# Altium PCB FlatSat Half 2.PcbDoc (part 6 of 9)
Units mil, origin at the board's own origin, x right, y up, seen from the top; angles counter-clockwise.
Board outline 4682 x 11604 mil, 4 copper layers (Top Layer, STR GND 1, STR GND 2, Bottom Layer), stack 33.434 mil thick; 231 components, 255 nets, 990 pads, 1104 vias.
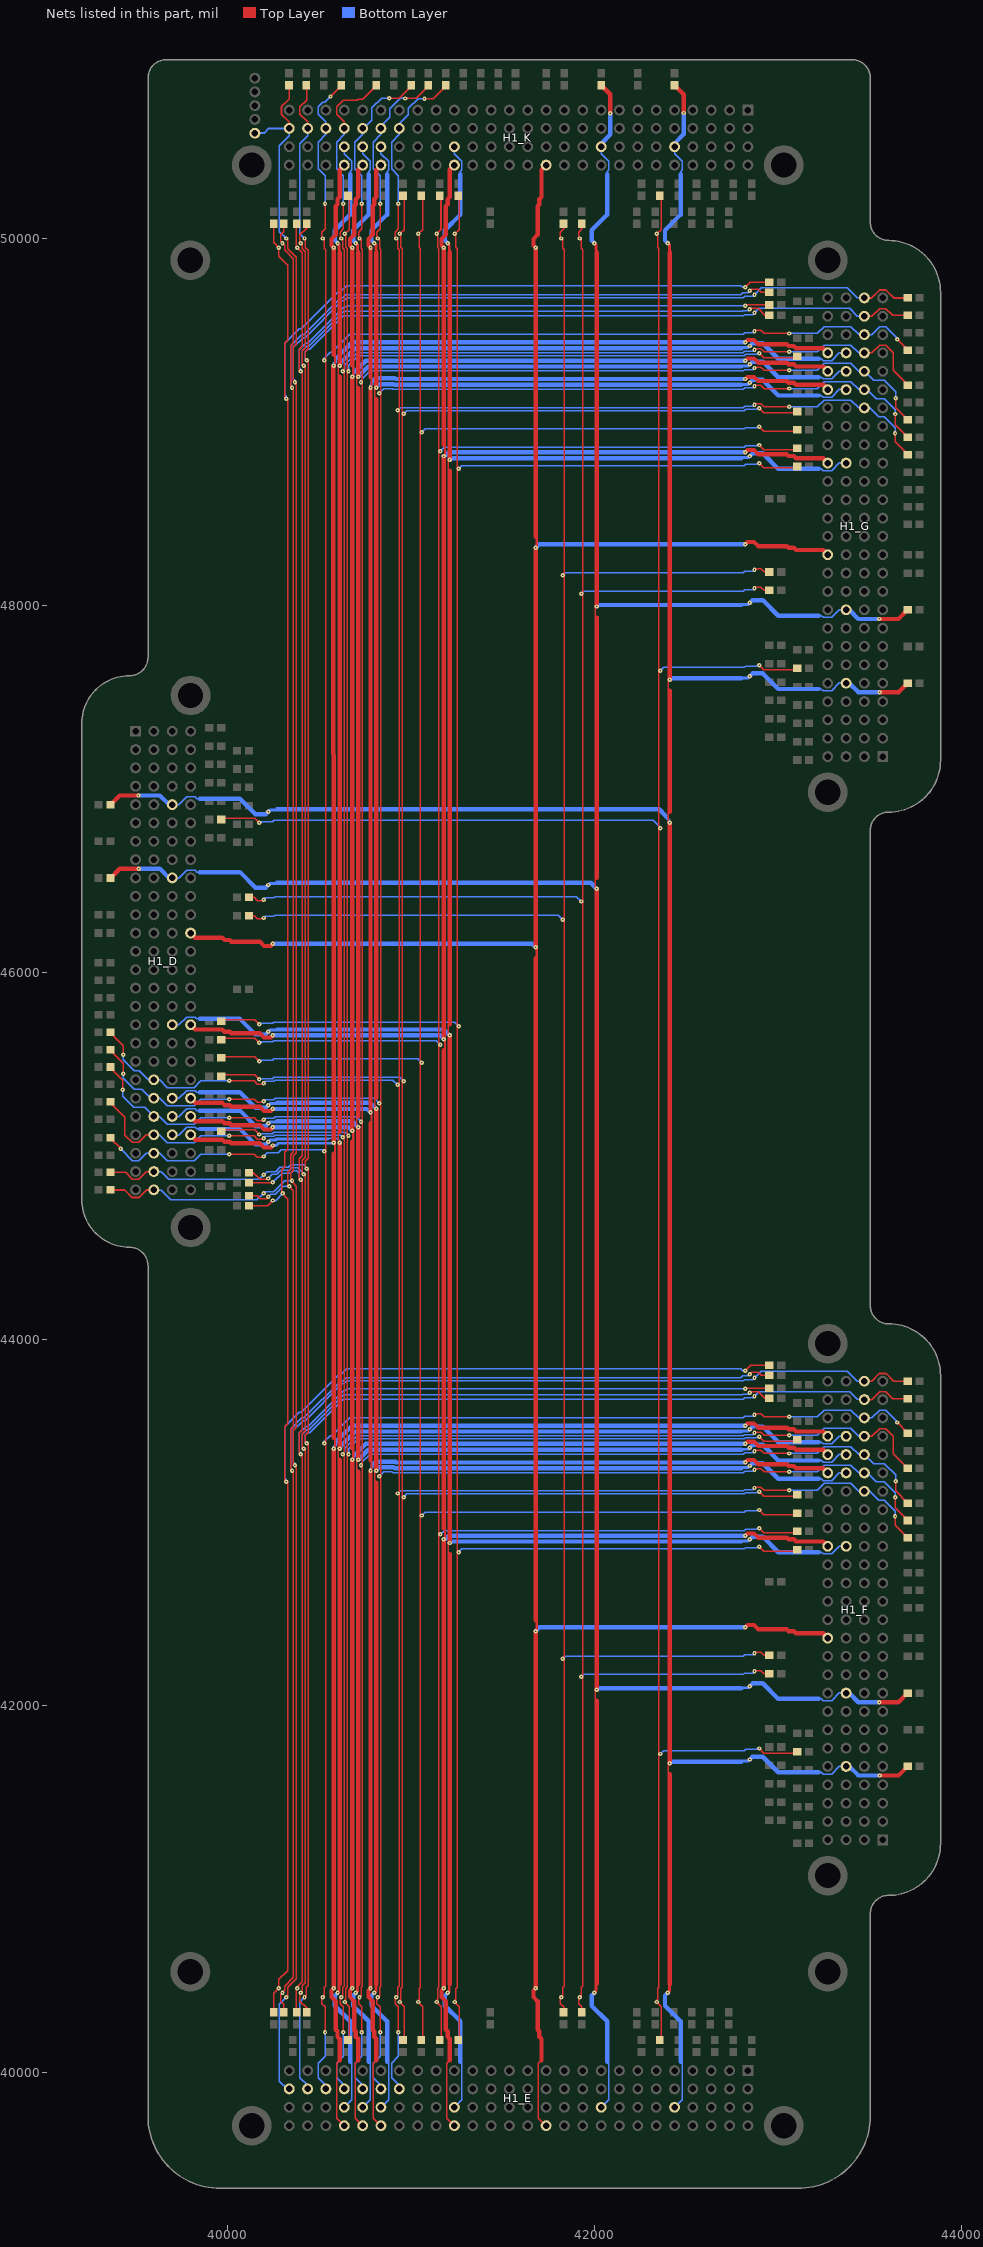
[diagram p8: the nets of this part, all layers, seen from the top]

## Via types
v1: diameter 24, hole 8, Top Layer to Bottom Layer, 1104 vias

## Nets (pads, with @x,y where several pads share a name; then routed paths per layer and width w, separated by ;. In a path a pad name is that pad's centre, name@x,y a point inside that pad or via, vN(x,y) a via of type N, cw(c..) or ccw(c..) an arc to the next point about the centre after c; other vN are vias at no path point) (continued)
12V_BUS_2: H1_D.76 H1_E.76 H1_F.76 H1_G.76 H1_K.76 | length 15971.6
  Top Layer w8: 41712,40069 41695.47,40052.47 41695.47,39753.53 H1_E.76@41737,39712
  Top Layer w12: v1@41680,42407 41686,42413 41686,42462 41680,42468 ; 41680,46075 41686,46081 41686,46129 v1(41680,46135) ; v1@41680,48312 41686,48318 41686,48367 41680,48373
  Top Layer w22: 40177,46166 40200,46143 40236.25,46143 v1@40248.13,46154.87 ; v1@41679.87,40461.13 41668,40449.25 41668,40413 41691,40390 ; v1@41679.87,49948.87 41668,49960.75 41668,49997 41691,50020 ; v1@42822.87,42428.13 42834.75,42440 42871,42440 42894,42417 ; v1@42822.87,48333.13 42834.75,48345 42871,48345 42894,48322
  Top Layer w24: H1_D.76@39798,46212 39823,46187 39972,46187 39984,46175 40012.6,46175 40021.6,46166 40177,46166 ; v1(41680,40461) v1@41680,42407 ; 41680,42468 41680,46075 ; v1(41680,46135) v1@41680,48312 ; 41680,48373 v1@41680,49944 ; 41691,40390 41691,40234.6 41700,40225.6 41700,40197 41712,40185 41712,40069 ; 41691,50020 41691,50175.4 41700,50184.4 41700,50213 41712,50225 41712,50374 H1_K.76@41737,50399 ; 42894,42417 43049.4,42417 43058.4,42408 43087,42408 43099,42396 43248,42396 H1_F.76@43273,42371 ; 42894,48322 43049.4,48322 43058.4,48313 43087,48313 43099,48301 43248,48301 H1_G.76@43273,48276
  Bottom Layer w24: v1(40248,46155) 41660,46155 v1(41680,46135) ; v1(41680,42408) 41700,42428 v1(42823,42428) ; v1(41680,48313) 41700,48333 v1(42823,48333)
  other v1: 41680,49949
ADCS_CS: R102_A.1 R102_D.1 R102_E.1 R102_F.1 R102_G.1 | length 15733.2
  Top Layer w8: R102_D.1@40117.48,44851.67 40117.48,44851 40244,44851 v1(40248,44855) ; R102_E.1@40376.67,40330.48 40376,40330.48 40376,40457 v1(40380,40461) 40380,40468.63 40408,40496.63 40408,43371 v1(40400,43371) ; R102_A.1@40376.67,50079.52 40376,50079.52 40376,49953 v1(40380,49949) 40392,49937 40392,49936.34 40408,49920.34 40408,49410.25 40392,49394.25 v1@40392,49276 ; v1@40392,43371 40392,43489.25 40408,43505.25 40408,44869 v1(40400,44869) 40392,44869 40392,44982.91 40408,44998.91 40408,49276 v1(40400,49276) ; v1(42823,43728) 42827,43732 42953.52,43732 R102_F.1@42953.52,43731.33 ; v1(42823,49633) 42827,49637 42953.52,49637 R102_G.1@42953.52,49636.33
  Bottom Layer w8: v1(40248,44855) 40274,44881 40275.82,44881 40297.82,44903 40344.06,44903 40358.06,44917 40377.94,44917 40392,44902.94 v1@40392,44875 ; v1@40397,43371 40398.75,43372.75 40398.75,43382.3 40392,43389.06 40392,43488.49 40425.51,43522 40436.51,43522 40636.51,43722 40647.45,43722 40653.45,43728 v1(42823,43728) ; v1@40397,49276 40398.75,49277.75 40398.75,49287.3 40392,49294.06 40392,49393.49 40425.51,49427 40436.51,49427 40636.51,49627 40647.45,49627 40653.45,49633 v1(42823,49633)
ADCS_MISO: R101_A.2 R101_D.2 R101_E.2 R101_F.2 R101_G.2 | length 15769.1
  Top Layer w8: R101_D.2@40102.15,44906.67 R101_D.2@40108.15,44900.67 ; R101_D.2@40117.48,44906.67 40141.33,44906.67 40178,44870 40218,44870 v1(40223,44875) ; v1@40408,43401 40408,43482.63 40424,43498.63 40424,44899 v1(40416,44899) 40408,44899 40408,44975.57 40423.72,44991.28 40423.72,44991.72 40424,44992 40424,49306 v1(40416,49306) ; v1@40408,49306 40408,49387.63 40424,49403.63 40424,49926.96 40408,49942.96 40408,49966 v1(40400,49974) 40395,49979 40395,50019 40431,50055 ; v1(40416,43401) 40424,43401 40424,40490 40409,40475 40409,40445 v1(40400,40436) 40395,40431 40395,40391 40431.67,40354.33 R101_E.2@40431.67,40330.48 ; R101_E.2@40425.67,40321.15 R101_E.2@40431.67,40315.15 ; R101_A.2@40425.67,50088.85 R101_A.2@40431,50094.18 ; R101_A.2@40431.67,50079.52 40431.67,50055.67 40431,50055 ; R101_A.2@40431.67,50094.85 R101_A.2@40431,50094.18 ; v1(42848,43708) 42853,43713 42893,43713 42929.67,43676.33 R101_F.2@42953.52,43676.33 ; v1(42848,49613) 42853,49618 42893,49618 42929.67,49581.33 R101_G.2@42953.52,49581.33 ; R101_F.2@42962.85,43682.33 R101_F.2@42968.85,43676.33 ; R101_G.2@42962.85,49587.33 R101_G.2@42968.85,49581.33 ; 40431,50055 R101_A.2@40431,50094.18
  Bottom Layer w8: v1(40223,44875) 40245,44897 40269.2,44897 40291.2,44919 40337.43,44919 40351.43,44933 40384.57,44933 40414,44903.57 v1@40414,44901 ; v1@40414,43401 40408,43407 40408,43481.86 40432.14,43506 40443.14,43506 40633.14,43696 42806,43696 42809,43699 42839,43699 v1(42848,43708) ; v1@40414,49306 40408,49312 40408,49386.86 40432.14,49411 40443.14,49411 40633.14,49601 42806,49601 42809,49604 42839,49604 v1(42848,49613)
ADCS_MOSI: R103_A.1 R103_D.1 R103_E.1 R103_F.1 R103_G.1 | length 16060.6
  Top Layer w8: R103_D.1@40117.48,44781.67 40161.33,44781.67 40178,44765 40213,44765 v1(40223,44775) ; R103_E.1@40306.67,40330.48 40306.67,40374.33 40290,40391 40290,40426 v1(40300,40436) 40313,40449 40313,40473.25 40360,40520.25 40360,43281 v1(40352,43281) ; R103_A.1@40306.67,50079.52 40306.67,50035.67 40290,50019 40290,49984 v1(40300,49974) 40313,49961 40313,49936.75 40360,49889.75 40360,49430.14 40344,49414.14 v1@40344,49186 ; v1@40328,44833 40328,44909.57 40344,44925.57 40344,45005 40360,45021 40360,49186 v1(40352,49186) ; v1(40336,44833) 40360,44809 40360,43525.14 40344,43509.14 v1@40344,43281 ; v1(42848,43808) 42858,43818 42893,43818 42909.67,43801.33 R103_F.1@42953.52,43801.33 ; v1(42848,49713) 42858,49723 42893,49723 42909.67,49706.33 R103_G.1@42953.52,49706.33
  Bottom Layer w8: v1(40223,44775) 40236,44788 40260.2,44788 40304.2,44832 v1@40336,44832 ; v1@40344,43286 40344,43508.37 40405.63,43570 40416.63,43570 40617.63,43771 40628.57,43771 40646.57,43789 42799,43789 42809,43799 42839,43799 v1(42848,43808) ; v1@40344,49191 40344,49413.37 40405.63,49475 40416.63,49475 40617.63,49676 40628.57,49676 40645.57,49693 42798,49693 42809,49704 42839,49704 v1(42848,49713)
ADCS_PDI_CLK: R20_A.2 R20_D.2 R20_E.2 R20_F.2 R20_G.2 | length 13692.1
  Top Layer w8: R20_D.2@40117.15,46407 R20_D.2@40117.48,46407 40146,46407 40163,46390 v1@40193,46390 ; R20_E.2@41932,40330.15 R20_E.2@41932,40330.48 41932,40359 41915,40376 41915,40406 v1(41920,40411) 41929,40420 41929,40465.41 41936,40472.41 41936,49937.59 41929,49944.59 41929,49990 v1(41920,49999) 41915,50004 41915,50034 41932,50051 R20_A.2@41932,50079.52 R20_A.2@41932,50079.85 ; v1@42878,42193 42908,42193 42925,42176 R20_F.2@42953.52,42176 R20_F.2@42953.85,42176 ; v1@42878,48098 42908,48098 42925,48081 R20_G.2@42953.52,48081 R20_G.2@42953.85,48081
  Bottom Layer w8: v1(40198,46395) 40207,46404 40252.41,46404 40259.41,46411 41902,46411 v1(41928,46385) ; v1(41928,42158) 41942,42172 42811.59,42172 42818.59,42179 42864,42179 v1(42873,42188) ; v1(41928,48063) 41942,48077 42811.59,48077 42818.59,48084 42864,48084 v1(42873,48093)
ADCS_PDI_DATA: R22_A.2 R22_D.2 R22_E.2 R22_F.2 R22_G.2 | length 13813.3
  Top Layer w8: R22_D.2@40117.15,46307 R22_D.2@40117.48,46307 40146,46307 40163,46290 40193,46290 v1(40198,46295) ; R22_E.2@41832,40330.15 R22_E.2@41832,40330.48 41832,40359 41815,40376 41815,40406 v1(41820,40411) 41829,40420 41829,40465.41 41836,40472.41 41836,49937.59 41829,49944.59 41829,49990 v1(41820,49999) 41815,50004 41815,50034 41832,50051 R22_A.2@41832,50079.52 R22_A.2@41832,50079.85 ; v1(42873,42288) 42878,42293 42908,42293 42925,42276 R22_F.2@42953.52,42276 R22_F.2@42953.85,42276 ; v1(42873,48193) 42878,48198 42908,48198 42925,48181 R22_G.2@42953.52,48181 R22_G.2@42953.85,48181
  Bottom Layer w8: v1(40198,46295) 40207,46304 40252.41,46304 40259.41,46311 41802,46311 v1(41828,46285) ; v1(41828,42258) 41842,42272 42811.59,42272 42818.59,42279 42864,42279 v1(42873,42288) ; v1(41828,48163) 41842,48177 42811.59,48177 42818.59,48184 42864,48184 v1(42873,48193)
ADCS_SCLK: R104_A.2 R104_D.2 R104_E.2 R104_F.2 R104_G.2 | length 16292.4
  Top Layer w8: R104_D.2@40117.48,44726.67 40219.67,44726.67 v1(40248,44755) ; R104_E.2@40251.67,40330.48 40251.67,40432.67 v1(40280,40461) 40280,40509 40328,40557 40328,43221 v1(40320,43221) 40312,43221 40312,43522.39 40328,43538.39 40328,44761.06 40312,44777.06 40312,44784 v1(40302,44794) 40296,44800 40296,44922.82 40312,44938.82 40312,45018.25 40328,45034.25 40328,49126 v1(40320,49126) 40312,49126 40312,49427.39 40328,49443.39 40328,49853.06 40280,49901.06 v1(40280,49949) 40251.67,49977.33 R104_A.2@40251.67,50079.52 ; v1@42822,49732 v1(42823,49733) 42850.81,49760.81 R104_G.2@42965.18,49760.81 ; v1(42823,43828) 42851.33,43856.33 R104_F.2@42953.52,43856.33
  Bottom Layer w8: v1(40248,44755) 40263,44755 v1(40302,44794) ; v1(40320,43221) 40320,43233.06 40312,43241.06 40312,43521.63 40392.37,43602 40403.37,43602 40604.37,43803 40615.31,43803 40649.31,43837 42798.94,43837 42807.94,43828 v1(42823,43828) ; v1(40320,49126) 40320,49138.06 40312,49146.06 40312,49426.63 40392.37,49507 40403.37,49507 40604.37,49708 40615.31,49708 40649.31,49742 42798.94,49742 42807.94,49733 v1(42823,49733)
ADCS_SS1: R11_A.1 R11_D.1 R11_E.1 R11_F.1 R11_G.1 | length 14087.5
  Top Layer w8: R11_D.1@39965.48,46832 39965.48,46839.67 40148.33,46839.67 v1(40173,46815) ; R11_E.1@42357,40178.48 42364.67,40178.48 42364.67,40361.33 v1(42340,40386) 42340,40395 42345,40400 42345,40458.78 42352,40465.78 42352,49944.22 42345,49951.22 42345,50010 42340,50015 v1(42340,50024) 42363.66,50047.66 ; R11_A.1@42357,50231.52 R11_A.1@42359,50231.52 ; R11_A.1@42359,50231.04 R11_A.1@42359,50231.52 ; 42364.67,50048.67 42365,50048.34 42365,50231.52 R11_A.1@42359,50231.52 ; v1(42898,41768) 42922.67,41743.33 43105.52,41743.33 R11_F.1@43105.52,41751 ; v1(42898,47673) 42922.67,47648.33 43105.52,47648.33 R11_G.1@43105.52,47656
  Bottom Layer w8: v1(40173,46815) 40182,46815 40187,46820 40245.78,46820 40252.78,46827 42320.94,46827 42361,46786.94 v1@42361,46785 ; v1(42360,41738) 42378,41756 42818.22,41756 42825.22,41763 42884,41763 42889,41768 v1(42898,41768) ; v1(42360,47643) 42378,47661 42818.22,47661 42825.22,47668 42884,47668 42889,47673 v1(42898,47673)
  other v1: 42360,46785
BAT_POS_1: H1_D.85 H1_E.85 H1_F.85 H1_G.85 H1_K.85 | length 16883.1
  Top Layer w8: 41212,42828 41204,42836 41204,42880 v1(41212,42888) ; v1(41212,45655) 41204,45663 41204,45707 41212,45715 ; 41212,48733 41204,48741 41204,48785 v1(41212,48793)
  Top Layer w16: v1(41200,40436) 41209,40445 41209,40475 41212,40478 41212,40483 ; v1(41200,49974) 41209,49965 41209,49935 41212,49932 41212,49927
  Top Layer w24: 41212,40483 41212,42828 ; v1(41212,42888) v1(41212,45655) ; 41212,45715 41212,48733 ; v1(41212,48793) 41212,49922
  Bottom Layer w8: H1_D.85@39698,45712 39735,45712 39777.53,45754.53 39823.47,45754.53 39833,45745 39848,45745 ; H1_E.85@41237,39812 41278.53,39853.53 41278.53,40052.47 41270,40061 ; H1_K.85@41237,50499 41237,50462 41278.53,50420.47 41278.53,50372.53 41270,50364 41270,50349 ; 43223,42838 43238,42838 43247.53,42828.47 43293.47,42828.47 43336,42871 H1_F.85@43373,42871 ; 43223,48743 43238,48743 43247.53,48733.47 43293.47,48733.47 43336,48776 H1_G.85@43373,48776
  Bottom Layer w16: v1(40223,45675) 40232,45684 40262,45684 ; 40265,45687 40270,45687 ; 42801,42896 42806,42896 ; 42801,48801 42806,48801 ; 42809,42899 42839,42899 v1(42848,42908) ; 42809,48804 42839,48804 v1(42848,48813)
  Bottom Layer w22: 40208,45660 v1(40223,45675) ; 41185,40421 v1(41200,40436) ; 41185,49989 v1(41200,49974) ; v1(42848,42908) 42863,42923 ; v1(42848,48813) 42863,48828
  Bottom Layer w24: 39848,45745 40068,45745 40153,45660 40208,45660 ; 40270,45687 41180,45687 v1(41212,45655) ; 41185,40421 41185,40366 41270,40281 41270,40061 ; 41185,49989 41185,50044 41270,50129 41270,50349 ; v1(41212,42888) 41220,42896 42801,42896 ; v1(41212,48793) 41220,48801 42801,48801 ; 42863,42923 42918,42923 43003,42838 43223,42838 ; 42863,48828 42918,48828 43003,48743 43223,48743
BAT_POS_2: H1_D.86 H1_E.86 H1_F.86 H1_G.86 H1_K.86 | length 16460
  Top Layer w8: 41212,40069 41195.47,40052.47 41195.47,39753.53 H1_E.86@41237,39712
  Top Layer w12: v1(41180,42908) 41186,42914 41186,42961 41180,42967 ; 41180,45575 41186,45581 41186,45629 v1(41180,45635) ; v1(41180,48813) 41186,48819 41186,48866 41180,48872
  Top Layer w22: 40177,45666 40200,45643 40236.25,45643 v1@40248.13,45654.87 ; v1@41179.87,40461.13 41168,40449.25 41168,40413 41191,40390 ; v1@41179.87,49948.87 41168,49960.75 41168,49997 41191,50020 ; v1@42822.87,42928.13 42834.75,42940 42871,42940 42894,42917 ; v1@42822.87,48833.13 42834.75,48845 42871,48845 42894,48822
  Top Layer w24: H1_D.86@39798,45712 39823,45687 39972,45687 39984,45675 40012.6,45675 40021.6,45666 40177,45666 ; v1(41180,40461) v1(41180,42908) ; 41180,42967 41180,45575 ; v1@41180,45645.54 v1(41180,48813) ; 41180,48873 v1@41180,49944 ; 41191,40390 41191,40234.6 41200,40225.6 41200,40197 41212,40185 41212,40069 ; 41191,50020 41191,50175.4 41200,50184.4 41200,50213 41212,50225 41212,50374 H1_K.86@41237,50399 ; 42894,42917 43049.4,42917 43058.4,42908 43087,42908 43099,42896 43248,42896 H1_F.86@43273,42871 ; 42894,48822 43049.4,48822 43058.4,48813 43087,48813 43099,48801 43248,48801 H1_G.86@43273,48776
  Bottom Layer w24: v1(40248,45655) 41160,45655 v1(41180,45635) ; v1(41180,42908) 41186.75,42908 41206.75,42928 v1(42823,42928) ; v1(41180,48813) 41186.75,48813 41206.75,48833 v1(42823,48833)
  other v1: 41180,49949
BATV_BUS_1: H1_D.97 H1_E.97 H1_F.97 H1_G.97 H1_K.97 | length 17567.1
  Top Layer w8: 40612,43341 40604,43349 40604,43393 v1(40612,43401) ; v1(40612,45070) 40604,45078 40604,45122 40612,45130 ; 40612,49246 40604,49254 40604,49298 v1(40612,49306)
  Top Layer w16: v1(40600,40436) 40609,40445 40609,40481 40612,40484 ; v1(40600,49974) 40609,49965 40609,49935 40612,49932 40612,49927
  Top Layer w24: 40612,40484 40612,43341 ; v1(40612,43401) v1(40612,45070) ; 40612,45130 40612,49246 ; v1(40612,49306) 40612,49922
  Bottom Layer w8: H1_D.97@39698,45112 39735,45112 39777.53,45154.53 39823.47,45154.53 39833,45145 39848,45145 ; 40549,45091 40553,45095 40596,45095 v1@40611,45080 ; H1_E.97@40637,39812 40678.53,39853.53 40678.53,40052.47 40670,40061 ; H1_K.97@40637,50499 40637,50462 40678.53,50420.47 40678.53,50372.53 40670,50364 40670,50349 ; 43223,43438 43238,43438 43247.53,43428.47 43293.47,43428.47 43336,43471 H1_F.97@43373,43471 ; 43223,49343 43238,49343 43247.53,49333.47 43293.47,49333.47 43336,49376 H1_G.97@43373,49376
  Bottom Layer w16: v1(40223,45075) 40232,45084 40260.69,45084 40267.69,45091 40549,45091 ; 42801,43496 42806,43496 ; 42801,49401 42806,49401 ; 42809,43499 42839,43499 v1(42848,43508) ; 42809,49404 42839,49404 v1(42848,49413)
  Bottom Layer w22: 40208,45060 v1(40223,45075) ; 40585,40421 v1(40600,40436) ; 40585,49989 v1(40600,49974) ; v1(42848,43508) 42863,43523 ; v1(42848,49413) 42863,49428
  Bottom Layer w24: 39848,45145 40068,45145 40153,45060 40208,45060 ; 40585,40421 40585,40366 40670,40281 40670,40061 ; 40585,49989 40585,50044 40670,50129 40670,50349 ; v1(40612,43401) 40612,43403.8 40616,43407.8 40616,43415.57 40696.43,43496 42801,43496 ; v1(40612,49306) 40612,49308.8 40616,49312.8 40616,49320.57 40696.43,49401 42801,49401 ; 42863,43523 42918,43523 43003,43438 43223,43438 ; 42863,49428 42918,49428 43003,49343 43223,49343
BATV_BUS_2: H1_D.98 H1_E.98 H1_F.98 H1_G.98 H1_K.98 | length 17153.6
  Top Layer w8: 40612,40069 40595.47,40052.47 40595.47,39753.53 H1_E.98@40637,39712
  Top Layer w12: v1@40580,43404 40586,43410 40586,43455 40580,43461 ; 40580,45010 40586,45016 40586,45064 v1(40580,45070) ; v1@40580,49309 40586,49315 40586,49360 40580,49366
  Top Layer w22: 40177,45066 40200,45043 40236.25,45043 v1@40248.13,45054.87 ; v1@40579.87,40461.13 40568,40449.25 40568,40413 40591,40390 ; v1@40580,49950 40578.75,49950 40568,49960.75 40568,49997 40591,50020 ; 42834.75,43540 42871,43540 42894,43517 ; 42834.75,49445 42871,49445 42894,49422
  Top Layer w24: H1_D.98@39798,45112 39823,45087 39972,45087 39984,45075 40012.6,45075 40021.6,45066 40177,45066 ; v1@40576.63,49302.63 v1(40580,45070) ; v1@40579.87,40461.13 40580,40461.25 v1(40580,43401) ; 40580,43461 40580,45010 ; 40580,49366 v1@40580,49944 ; 40591,40390 40591,40234.6 40600,40225.6 40600,40197 40612,40185 40612,40069 ; 40591,50020 40591,50175.4 40600,50184.4 40600,50213 40612,50225 40612,50374 H1_K.98@40637,50399 ; 42894,43517 43049.4,43517 43058.4,43508 43087,43508 43099,43496 43248,43496 H1_F.98@43273,43471 ; 42894,49422 43049.4,49422 43058.4,49413 43087,49413 43099,49401 43248,49401 H1_G.98@43273,49376
  Bottom Layer w16: v1(40248,45055) 40265.63,45055 40277.63,45067 40577,45067 v1(40580,45070) v1@40581,45071 ; v1@40580,43404 40580,43411.4 40588,43419.4 40588,43439 40594,43445 ; v1@40580,49309 40580,49316.4 40588,49324.4 40588,49344 40594,49350
  Bottom Layer w24: 40592,43439.9 40680.1,43528 v1(42823,43528) ; 40592,49344.9 40680.1,49433 v1(42823,49433)
  other v1: 40580,40461 40580,49306 40580,49949
BCR_OUT_1: H1_D.93 H1_E.93 H1_F.93 H1_G.93 H1_K.93 | length 17279.5
  Top Layer w8: 40812,43218 40804,43226 40804,43273 v1(40812,43281) ; v1(40812,45255) 40804,45263 40804,45307 40812,45315 ; 40812,49123 40804,49131 40804,49178 v1(40812,49186)
  Top Layer w16: v1(40800,40436) 40809,40445 40809,40475 40812,40478 40812,40483 ; v1(40800,49974) 40809,49965 40809,49935 40812,49932 40812,49927
  Top Layer w24: 40812,40483 40812,43218 ; v1(40812,43281) v1(40812,45255) ; 40812,45315 40812,49123 ; v1(40812,49186) 40812,49922
  Bottom Layer w8: H1_D.93@39698,45312 39735,45312 39777.53,45354.53 39823.47,45354.53 39833,45345 39848,45345 ; H1_E.93@40837,39812 40878.53,39853.53 40878.53,40052.47 40870,40061 ; H1_K.93@40837,50499 40837,50462 40878.53,50420.47 40878.53,50372.53 40870,50364 40870,50349 ; 43223,43238 43238,43238 43247.53,43228.47 43293.47,43228.47 43336,43271 H1_F.93@43373,43271 ; 43223,49143 43238,49143 43247.53,49133.47 43293.47,49133.47 43336,49176 H1_G.93@43373,49176
  Bottom Layer w16: v1(40223,45275) 40232,45284 40262,45284 ; 40265,45287 40270,45287 ; 42801,43296 42806,43296 ; 42801,49201 42806,49201 ; 42809,43299 42839,43299 v1(42848,43308) ; 42809,49204 42839,49204 v1(42848,49213)
  Bottom Layer w22: 40208,45260 v1(40223,45275) ; 40785,40421 v1(40800,40436) ; 40785,49989 v1(40800,49974) ; v1(42848,43308) 42863,43323 ; v1(42848,49213) 42863,49228
  Bottom Layer w24: 39848,45345 40068,45345 40153,45260 40208,45260 ; 40270,45287 40780,45287 v1(40812,45255) ; 40785,40421 40785,40366 40870,40281 40870,40061 ; 40785,49989 40785,50044 40870,50129 40870,50349 ; v1@40812,43282 40812,43283.8 40828.2,43300 40904,43300 ; v1@40812,49187 40812,49188.8 40828.2,49205 40904,49205 ; 40911,43296 42801,43296 ; 40911,49201 42801,49201 ; 42863,43323 42918,43323 43003,43238 43223,43238 ; 42863,49228 42918,49228 43003,49143 43223,49143
BCR_OUT_2: H1_D.95 H1_E.95 H1_F.95 H1_G.95 H1_K.95 | length 17418.1
  Top Layer w8: 40712,43277 40704,43285 40704,43333 v1(40712,43341) ; v1(40712,45155) 40704,45163 40704,45207 40712,45215 ; 40712,49182 40704,49190 40704,49238 v1(40712,49246)
  Top Layer w16: v1(40700,40436) 40708,40444 40708,40479 40712,40483 ; v1(40700,49974) 40709,49965 40709,49935 40712,49932 40712,49927
  Top Layer w24: 40712,40483 40712,43277 ; v1(40712,43341) v1(40712,45155) ; 40712,45215 40712,49182 ; v1(40712,49246) 40712,49922
  Bottom Layer w8: H1_D.95@39698,45212 39735,45212 39777.53,45254.53 39823.47,45254.53 39833,45245 39848,45245 ; H1_E.95@40737,39812 40778.53,39853.53 40778.53,40052.47 40770,40061 ; H1_K.95@40737,50499 40737,50462 40778.53,50420.47 40778.53,50372.53 40770,50364 40770,50349 ; 43223,43338 43238,43338 43247.53,43328.47 43293.47,43328.47 43336,43371 H1_F.95@43373,43371 ; 43223,49243 43238,49243 43247.53,49233.47 43293.47,49233.47 43336,49276 H1_G.95@43373,49276
  Bottom Layer w16: v1(40223,45175) 40232,45184 40262,45184 ; 40265,45187 40270,45187 ; 42801,43396 42806,43396 ; 42801,49301 42806,49301 ; 42809,43399 42839,43399 v1(42848,43408) ; 42809,49304 42839,49304 v1(42848,49313)
  Bottom Layer w22: 40208,45160 v1(40223,45175) ; 40685,40421 v1(40700,40436) ; 40685,49989 v1(40700,49974) ; v1(42848,43408) 42863,43423 ; v1(42848,49313) 42863,49328
  Bottom Layer w24: 39848,45245 40068,45245 40153,45160 40208,45160 ; 40270,45187 40680,45187 v1(40712,45155) ; 40685,40421 40685,40366 40770,40281 40770,40061 ; 40685,49989 40685,50044 40770,50129 40770,50349 ; v1(40712,43341) 40712.43,43341 40767.43,43396 40768,43396 ; v1(40712,49246) 40712.43,49246 40767.43,49301 40768,49301 ; 40770,43396 42801,43396 ; 40770,49301 42801,49301 ; 42863,43423 42918,43423 43003,43338 43223,43338 ; 42863,49328 42918,49328 43003,49243 43223,49243
BCR_OUT_3: H1_D.94 H1_E.94 H1_F.94 H1_G.94 H1_K.94 | length 16911.3
  Top Layer w8: 40812,40069 40795.47,40052.47 40795.47,39753.53 H1_E.94@40837,39712
  Top Layer w12: v1(40780,43281) 40786,43287 40786,43332 40780,43338 ; 40780,45175 40786,45181 40786,45229 v1(40780,45235) ; v1(40780,49186) 40786,49192 40786,49237 40780,49243
  Top Layer w22: 40177,45266 40200,45243 40236.25,45243 v1@40248.13,45254.87 ; v1@40779.87,40461.13 40768,40449.25 40768,40413 40791,40390 ; v1@40779.87,49948.87 40768,49960.75 40768,49997 40791,50020 ; v1(40780,40461) v1(40780,43281) ; v1@42822.87,43328.13 42834.75,43340 42871,43340 42894,43317 ; v1@42822.87,49233.13 42834.75,49245 42871,49245 42894,49222
  Top Layer w24: H1_D.94@39798,45312 39823,45287 39972,45287 39984,45275 40012.6,45275 40021.6,45266 40177,45266 ; 40780,43338 40780,45175 ; v1@40780,45244.37 v1(40780,49186) ; 40780,49243 v1@40780,49944 ; 40791,40390 40791,40234.6 40800,40225.6 40800,40197 40812,40185 40812,40069 ; 40791,50020 40791,50175.4 40800,50184.4 40800,50213 40812,50225 40812,50374 H1_K.94@40837,50399 ; 42894,43317 43049.4,43317 43058.4,43308 43087,43308 43099,43296 43248,43296 H1_F.94@43273,43271 ; 42894,49222 43049.4,49222 43058.4,49213 43087,49213 43099,49201 43248,49201 H1_G.94@43273,49176
  Bottom Layer w16: v1(40780,43281) 40780,43291.4 40788,43299.4 40788,43306 ; v1(40780,49186) 40780,49196.4 40788,49204.4 40788,49211 ; 40788,43309 40788,43312 40794,43318 ; 40788,49214 40788,49217 40794,49223
  Bottom Layer w22: v1(40248,45255) 40760,45255 v1(40780,45235) ; 40912,43331 40916.84,43331 40919.84,43328 v1(42823,43328) ; 40912,49236 40916.84,49236 40919.84,49233 v1(42823,49233)
  Bottom Layer w24: 40794,43318 40808,43332 40912,43332 ; 40794,49223 40808,49237 40912,49237
  other v1: 40780,49949
BCR_OUT_4: H1_D.96 H1_E.96 H1_F.96 H1_G.96 H1_K.96 | length 17008.2
  Top Layer w8: 40712,40069 40695.47,40052.47 40695.47,39753.53 H1_E.96@40737,39712
  Top Layer w12: v1(40680,43341) 40686,43347 40686,43398 40680,43404 ; 40680,45075 40686,45081 40686,45129 v1(40680,45135) ; v1(40680,49246) 40686,49252 40686,49303 40680,49309
  Top Layer w22: 40177,45166 40200,45143 40236.25,45143 v1@40248.13,45154.87 ; v1@40679.87,40461.13 40668,40449.25 40668,40413 40691,40390 ; v1@40679.87,49948.87 40668,49960.75 40668,49997 40691,50020 ; 42834.75,43440 42871,43440 42894,43417 ; 42834.75,49345 42871,49345 42894,49322
  Top Layer w24: H1_D.96@39798,45212 39823,45187 39972,45187 39984,45175 40012.6,45175 40021.6,45166 40177,45166 ; v1(40680,40461) v1(40680,43341) ; 40680,43404 40680,45075 ; v1(40680,45135) v1(40680,49246) ; 40680,49309 v1@40680,49944 ; 40691,40390 40691,40234.6 40700,40225.6 40700,40197 40712,40185 40712,40069 ; 40691,50020 40691,50175.4 40700,50184.4 40700,50213 40712,50225 40712,50374 H1_K.96@40737,50399 ; 42894,43417 43049.4,43417 43058.4,43408 43087,43408 43099,43396 43248,43396 H1_F.96@43273,43371 ; 42894,49322 43049.4,49322 43058.4,49313 43087,49313 43099,49301 43248,49301 H1_G.96@43273,49276
  Bottom Layer w16: v1@40681,43341 40684,43344 40684,43352.6 40696.87,43365.47 40696.87,43371.13 ; v1@40681,49246 40684,49249 40684,49257.6 40696.87,49270.47 40696.87,49276.13
  Bottom Layer w24: v1(40248,45155) 40660,45155 v1(40680,45135) ; 40696.87,43371.13 40698.75,43373 40699,43373 40754,43428 v1(42823,43428) ; 40696.87,49276.13 40698.75,49278 40699,49278 40754,49333 v1(42823,49333)
  other v1: 40680,49949
COM_SBAND_INT: R37_A.1 R37_D.1 R37_E.1 R37_F.1 R37_G.1 | length 15561.3
  Top Layer w8: R37_D.1@39965.48,45532 39965.48,45539.67 40148.33,45539.67 v1(40173,45515) ; R37_E.1@41057,40178.48 41064.67,40178.48 41064.67,40361.33 v1(41040,40386) 41040,40395 41045,40400 41045,40458.78 41052,40465.78 41052,49944.22 41045,49951.22 41045,50010 41040,50015 v1(41040,50024) 41063.66,50047.66 ; R37_A.1@41057,50231.52 R37_A.1@41059,50231.52 ; R37_A.1@41059,50231.04 R37_A.1@41059,50231.52 ; v1(42898,43068) 42922.67,43043.33 43105.52,43043.33 R37_F.1@43105.52,43051 ; v1(42898,48973) 42922.67,48948.33 43105.52,48948.33 R37_G.1@43105.52,48956 ; R37_A.1@41059,50231.52 R37_A.1@41063.66,50231.52 ; 41063.66,50047.66 R37_A.1@41063.66,50231.52 ; 41063.66,50047.66 41064.67,50048.67 41064.67,50231.52 R37_A.1@41063.66,50231.52
  Bottom Layer w8: v1(40173,45515) 40182,45515 40187,45520 40245.78,45520 40252.78,45527 41038,45527 v1(41060,45505) ; v1(41060,43038) 41078,43056 42818.22,43056 42825.22,43063 42884,43063 42889,43068 v1(42898,43068) ; v1(41060,48943) 41078,48961 42818.22,48961 42825.22,48968 42884,48968 42889,48973 v1(42898,48973)
COM_SBAND_SS: R33_A.1 R33_D.1 R33_E.1 R33_F.1 R33_G.1 | length 15361.3
  Top Layer w8: R33_D.1@39965.48,45732 39965.48,45739.67 40148.33,45739.67 v1(40173,45715) ; R33_E.1@41257,40178.48 41264.67,40178.48 41264.67,40361.33 v1(41240,40386) 41240,40395 41245,40400 41245,40458.78 41252.01,40465.79 41252.01,49926.27 41252,49930.95 41252.01,49944.21 41245,49951.22 41245,50010 41240,50015 v1(41240,50024) 41263.66,50047.66 ; R33_A.1@41257,50231.52 R33_A.1@41259.01,50231.52 ; R33_A.1@41259.01,50231.04 R33_A.1@41259.01,50231.52 ; v1(42898,42868) 42922.67,42843.33 43105.52,42843.33 R33_F.1@43105.52,42851 ; v1(42898,48773) 42922.67,48748.33 43105.52,48748.33 R33_G.1@43105.52,48756 ; R33_A.1@41259.01,50231.52 R33_A.1@41263.66,50231.52 ; 41263.66,50047.66 R33_A.1@41263.66,50231.52 ; 41263.66,50047.66 41264.67,50048.67 41264.67,50231.52 R33_A.1@41263.66,50231.52
  Bottom Layer w8: v1(40173,45715) 40182,45715 40187,45720 40245.78,45720 40252.78,45727 41238,45727 v1(41260,45705) ; v1(41260,42838) 41278,42856 42818.22,42856 42825.22,42863 42884,42863 42889,42868 v1(42898,42868) ; v1(41260,48743) 41278,48761 42818.22,48761 42825.22,48768 42884,48768 42889,48773 v1(42898,48773)
COM_UHF/VHF_INT: R39_A.1 R39_D.1 R39_E.1 R39_F.1 R39_G.1 | length 15661.3
  Top Layer w8: R39_D.1@39965.48,45432 39965.48,45439.67 40148.33,45439.67 v1(40173,45415) ; R39_E.1@40957,40178.48 40964.67,40178.48 40964.67,40361.33 v1(40940,40386) 40940,40395 40945,40400 40945,40458.78 40952,40465.78 40952,49944.22 40945,49951.22 40945,50010 40940,50015 v1(40940,50024) 40963.66,50047.66 ; R39_A.1@40957,50231.52 R39_A.1@40959,50231.52 ; R39_A.1@40959,50231.04 R39_A.1@40959,50231.52 ; v1(42898,43168) 42922.67,43143.33 43105.52,43143.33 R39_F.1@43105.52,43151 ; v1(42898,49073) 42922.67,49048.33 43105.52,49048.33 R39_G.1@43105.52,49056 ; R39_A.1@40959,50231.52 R39_A.1@40963.66,50231.52 ; 40963.66,50047.66 R39_A.1@40963.66,50231.52 ; 40963.66,50047.66 40964.67,50048.67 40964.67,50231.52 R39_A.1@40963.66,50231.52
  Bottom Layer w8: v1(40173,45415) 40182,45415 40187,45420 40245.78,45420 40252.78,45427 40938,45427 v1(40960,45405) ; v1(40960,43138) 40978,43156 42818.22,43156 42825.22,43163 42884,43163 42889,43168 v1(42898,43168) ; v1(40960,49043) 40978,49061 42818.22,49061 42825.22,49068 42884,49068 42889,49073 v1(42898,49073)
COM_UHF/VHF_SS: R35_A.2 R35_D.2 R35_E.2 R35_F.2 R35_G.2 | length 15463.7
  Top Layer w8: R35_D.2@39965.48,45632 39965.48,45639.67 40148.33,45639.67 v1(40173,45615) ; R35_E.2@41157,40178.48 41164.67,40178.48 41164.67,40361.33 v1(41140,40386) 41140,40395 41145,40400 41145,40458.78 41152,40465.78 41152,49944.22 41145,49951.22 41145,50010 41140,50015 v1(41140,50024) 41163.66,50047.66 ; R35_A.2@41157,50231.52 R35_A.2@41159,50231.52 ; R35_A.2@41159,50231.04 R35_A.2@41159,50231.52 ; v1(42898,42968) 42922.67,42943.33 43105.52,42943.33 R35_F.2@43105.52,42951 ; v1(42898,48873) 42922.67,48848.33 43105.52,48848.33 R35_G.2@43105.52,48856 ; R35_A.2@41159,50231.52 R35_A.2@41163.66,50231.52 ; 41163.66,50047.66 R35_A.2@41163.66,50231.52 ; 41163.66,50047.66 41164.67,50048.67 41164.67,50231.52 R35_A.2@41163.66,50231.52
  Bottom Layer w8: v1(40173,45615) 40182,45615 40187,45620 40245.78,45620 40252.78,45627 41138,45627 v1(41160,45605) ; v1(41160,42935) 41181,42956 42818.22,42956 42825.22,42963 42884,42963 42889,42968 v1(42898,42968) ; v1(41160,48840) 41181,48861 42818.22,48861 42825.22,48868 42884,48868 42889,48873 v1(42898,48873)
GND_1: R45_A.1 R45_D.1 R45_E.1 R45_F.1 R45_G.1 | length 16061.3
  Top Layer w8: R45_D.1@39965.48,45132 39965.48,45139.67 40148.33,45139.67 v1(40173,45115) ; R45_E.1@40657,40178.48 40664.67,40178.48 40664.67,40361.33 v1(40640,40386) 40640,40395 40645,40400 40645,40458.78 40652,40465.78 v1@40652,43379 ; R45_A.1@40657,50231.52 R45_A.1@40659,50231.52 ; R45_A.1@40659,50231.04 R45_A.1@40659,50231.52 ; v1(40660,43371) v1@40652,43379 ; v1(40660,49276) v1@40652,49284 ; v1(42898,43468) 42922.67,43443.33 43105.52,43443.33 R45_F.1@43105.52,43451 ; v1(42898,49373) 42922.67,49348.33 43105.52,49348.33 R45_G.1@43105.52,49356 ; v1@40652,43379 v1@40652,49284 ; v1@40652,49284 40652,49944.22 40645,49951.22 40645,50010 40640,50015 v1(40640,50024) 40663.66,50047.66 ; R45_A.1@40659,50231.52 R45_A.1@40663.66,50231.52 ; 40663.66,50047.66 R45_A.1@40663.66,50231.52 ; 40663.66,50047.66 40664.67,50048.67 40664.67,50231.52 R45_A.1@40663.66,50231.52
  Bottom Layer w8: v1(40173,45115) 40182,45115 40187,45120 40245.78,45120 40252.78,45127 40643,45127 40660,45110 v1(40660,45108) ; v1@40660,43378.75 40660,43403 40713,43456 42818.22,43456 42825.22,43463 42884,43463 42889,43468 v1(42898,43468) ; v1@40660,49283.75 40660,49308 40713,49361 42818.22,49361 42825.22,49368 42884,49368 42889,49373 v1(42898,49373)
GND_2: H1_D.40 H1_E.40 H1_F.40 H1_G.40 H1_K.40 J40_A.1 J40_D.1 J40_F.1 J40_G.1 | length 18909.6
  Top Layer w8: J40_D.1@39363.48,45666.28 39432,45597.76 v1(39432,45550) ; v1(40009,45407) 40146,45407 40163,45390 40193,45390 v1(40198,45395) ; v1(40932,40222) 40932,40359 40915,40376 40915,40406 v1(40920,40411) 40929,40420 40929,40465.41 40936,40472.41 40936,49937.59 40929,49944.59 40929,49990 v1(40920,49999) 40915,50004 40915,50034 40932,50051 v1(40932,50188) ; v1(41074,50761) 41121.76,50761 J40_A.1@41190.28,50829.52 ; v1(42873,43188) 42878,43193 42908,43193 42925,43176 v1(43062,43176) ; v1(42873,49093) 42878,49098 42908,49098 42925,49081 v1(43062,49081) ; v1(43639,43033) 43639,42985.24 J40_F.1@43707.52,42916.72 ; v1(43639,48938) 43639,48890.24 J40_G.1@43707.52,48821.72
  Bottom Layer w8: v1(39432,45550) 39432,45521.27 39491.27,45462 39520,45462 39569,45413 H1_D.40@39599,45413 ; H1_D.40@39598,45412 39631,45412 39672.47,45370.53 39818.53,45370.53 39855,45407 v1(40009,45407) ; v1(40198,45395) 40207,45404 40252.41,45404 40259.41,45411 40902,45411 v1(40928,45385) ; v1(40928,43158) 40942,43172 42811.59,43172 42818.59,43179 42864,43179 v1(42873,43188) ; v1(40928,49063) 40942,49077 42811.59,49077 42818.59,49084 42864,49084 v1(42873,49093) ; v1(40932,40222) 40932,40089 40895.47,40052.47 40895.47,39972.53 40937,39931 H1_E.40@40937,39912 ; v1(40932,50188) 40932,50342 40895,50379 40895,50524 40937,50566 H1_K.40@40937,50599 40937,50624 40986,50673 40986,50708 41039,50761 v1(41074,50761) ; v1(43062,43176) 43216,43176 43252.47,43212.47 43398.53,43212.47 43440,43171 H1_F.40@43473,43171 ; v1(43062,49081) 43216,49081 43252.47,49117.47 43398.53,49117.47 43440,49076 H1_G.40@43473,49076 ; H1_F.40@43472,43170 43502,43170 43551,43121 43579.73,43121 43639,43061.73 v1(43639,43033) ; H1_G.40@43472,49075 43502,49075 43551,49026 43579.73,49026 43639,48966.73 v1(43639,48938)
GND_3: H1_D.42 H1_E.42 H1_F.42 H1_G.42 H1_K.42 J42_A.1 J42_D.1 J42_F.1 J42_G.1 | length 19044.9
  Top Layer w8: J42_D.1@39363.48,45571.62 39431,45504.1 v1(39431,45446) ; v1(40009,45307) 40146,45307 40163,45290 40193,45290 v1(40198,45295) ; v1(40832,40222) 40832,40359 40815,40376 40815,40406 v1(40820,40411) 40829,40420 40829,40465.41 40836,40472.41 40836,49937.59 40829,49944.59 40829,49990 v1(40820,49999) 40815,50004 40815,50034 40832,50051 v1(40832,50188) ; v1(40970,50762) 41028.1,50762 J42_A.1@41095.62,50829.52 ; v1(42873,43288) 42878,43293 42908,43293 42925,43276 v1(43062,43276) ; v1(42873,49193) 42878,49198 42908,49198 42925,49181 v1(43062,49181) ; v1(43640,43137) 43640,43078.9 J42_F.1@43707.52,43011.38 ; v1(43640,49042) 43640,48983.9 J42_G.1@43707.52,48916.38
  Bottom Layer w8: v1(39431,45446) 39431,45422.27 39491.27,45362 39534,45362 39583,45313 H1_D.42@39599,45313 ; H1_D.42@39598,45312 39631,45312 39672.47,45270.53 39818.53,45270.53 39855,45307 v1(40009,45307) ; v1(40198,45295) 40207,45304 40252.41,45304 40259.41,45311 40802,45311 v1(40828,45285) ; v1(40828,43251) 40828,43252.94 40851.06,43276 40897.06,43276 40901.06,43272 42811.59,43272 42818.59,43279 42864,43279 v1(42873,43288) ; v1(40828,49156) 40828,49157.94 40851.06,49181 40897.06,49181 40901.06,49177 42811.59,49177 42818.59,49184 42864,49184 v1(42873,49193) ; v1(40832,40222) 40832,40089 40795.47,40052.47 40795.47,39972.53 40837,39931 H1_E.42@40837,39912 ; v1(40832,50188) 40832,50342 40795,50379 40795,50524 40837,50566 H1_K.42@40837,50599 40837,50610 40886,50659 40886,50706.73 40941.27,50762 v1(40970,50762) ; v1(43062,43276) 43216,43276 43252.47,43312.47 43398.53,43312.47 43440,43271 H1_F.42@43473,43271 ; v1(43062,49181) 43216,49181 43252.47,49217.47 43398.53,49217.47 43440,49176 H1_G.42@43473,49176 ; H1_F.42@43472,43270 43488,43270 43537,43221 43579.73,43221 43640,43160.73 v1(43640,43137) ; H1_G.42@43472,49175 43488,49175 43537,49126 43579.73,49126 43640,49065.73 v1(43640,49042)
GND_4: H1_D.44 H1_E.44 H1_F.44 H1_G.44 H1_K.44 J44_A.1 J44_D.1 J44_F.1 J44_G.1 | length 19213
  Top Layer w8: J44_D.1@39363.48,45476.97 39429,45411.45 v1(39429,45359) ; v1(40009,45207) 40146,45207 40163,45190 40193,45190 v1(40198,45195) ; v1(40732,40222) 40732,40359 40715,40376 40715,40406 v1(40720,40411) 40729,40420 40729,40465.41 40736,40472.41 40736,49937.59 40729,49944.59 40729,49990 v1(40720,49999) 40715,50004 40715,50034 40732,50051 v1(40732,50188) ; v1(40883,50764) 40935.45,50764 J44_A.1@41000.97,50829.52 ; v1(42873,43388) 42878,43393 42908,43393 42925,43376 v1(43062,43376) ; v1(42873,49293) 42878,49298 42908,49298 42925,49281 v1(43062,49281) ; v1(43642,43224) 43642,43171.55 J44_F.1@43707.52,43106.03 ; v1(43642,49129) 43642,49076.55 J44_G.1@43707.52,49011.03
  Bottom Layer w8: v1(39429,45359) 39429,45324.27 39490.27,45263 39549,45263 H1_D.44@39599,45213 ; H1_D.44@39598,45212 39631,45212 39672.47,45170.53 39818.53,45170.53 39855,45207 v1(40009,45207) ; v1(40198,45195) 40207,45204 40252.41,45204 40259.41,45211 40702,45211 v1(40728,45185) ; v1@40730,43309 40736,43315 40736,43330.63 40777.37,43372 42811.59,43372 42818.59,43379 42864,43379 v1(42873,43388) ; v1@40730,49214 40736,49220 40736,49235.63 40777.37,49277 42811.59,49277 42818.59,49284 42864,49284 v1(42873,49293) ; v1(40732,40222) 40732,40089 40695.47,40052.47 40695.47,39972.53 40737,39931 H1_E.44@40737,39912 ; v1(40732,50188) 40732,50342 40695,50379 40695,50524 40737,50566 H1_K.44@40737,50594 ; H1_K.44@40737,50599 H1_K.44@40737,50594 ; v1(40883,50764) 40840.79,50764 40787,50710.21 40787,50644 H1_K.44@40737,50594 ; v1(43062,43376) 43216,43376 43252.47,43412.47 43398.53,43412.47 43440,43371 H1_F.44@43473,43371 ; v1(43062,49281) 43216,49281 43252.47,49317.47 43398.53,49317.47 43440,49276 H1_G.44@43473,49276 ; H1_F.44@43472,43370 43522,43320 43580.73,43320 43642,43258.73 v1(43642,43224) ; H1_G.44@43472,49275 43522,49225 43580.73,49225 43642,49163.73 v1(43642,49129)
  other v1: 40728,43311 40728,49216
GND_5: H1_D.46 H1_E.46 H1_F.46 H1_G.46 H1_K.46 J46_A.1 J46_D.1 J46_F.1 J46_G.1 | length 19414.6
  Top Layer w8: J46_D.1@39361.48,45287.66 39441.47,45207.66 39441.47,45111.8 39481.8,45071.47 39516.2,45071.47 39557.73,45113 H1_D.46@39599,45113 ; v1(40009,45107) 40146,45107 40163,45090 40193,45090 v1(40198,45095) ; v1(40628,43371) v1@40636,43363 ; v1@40628,43372 40636,43380 ; v1(40628,49276) v1@40636,49268 ; v1@40628,49277 40636,49285 ; v1(40632,40222) 40632,40359 40615,40376 40615,40406 v1(40620,40411) 40629,40420 40629,40465.41 40636,40472.41 v1@40636,43363 ; v1(40632,50188) 40632,50051 40615,50034 40615,50004 v1(40620,49999) 40629,49990 40629,49944.59 40636,49937.59 40636,49285 ; H1_K.46@40637,50594 H1_K.46@40637,50599 40637,50635.27 40595.47,50676.8 40595.47,50716.2 40630.8,50751.53 40708.17,50751.53 40713.17,50756.53 40736.66,50756.53 J46_A.1@40811.66,50831.52 ; v1(42873,43488) 42878,43493 42908,43493 42925,43476 v1(43062,43476) ; v1(42873,49393) 42878,49398 42908,49398 42925,49381 v1(43062,49381) ; H1_F.46@43472,43470 43513.27,43470 43554.8,43511.53 43589.2,43511.53 43629.53,43471.2 43629.53,43375.34 J46_F.1@43709.52,43295.34 ; H1_G.46@43472,49375 43513.27,49375 43554.8,49416.53 43589.2,49416.53 43629.53,49376.2 43629.53,49280.34 J46_G.1@43709.52,49200.34 ; v1@40636,43363 40636,43380 ; 40636,43380 v1@40636,49268 ; v1@40636,49268 40636,49285
  Bottom Layer w8: H1_D.46@39598,45112 39631,45112 39672.47,45070.53 39818.53,45070.53 39855,45107 v1(40009,45107) ; v1(40198,45095) 40207,45104 40252.41,45104 40259.41,45111 40618,45111 v1@40630,45099 ; v1(40628,43371) 40628,43372.94 40640,43384.94 40640,43405.63 40706.37,43472 42810.94,43472 42817.94,43479 42864,43479 v1(42873,43488) ; v1(40628,49276) 40628,49277.94 40640,49289.94 40640,49310.63 40706.37,49377 42810.94,49377 42817.94,49384 42864,49384 v1(42873,49393) ; v1(40632,40222) 40632,40089 40595.47,40052.47 40595.47,39972.53 40637,39931 H1_E.46@40637,39912 ; v1(40632,50188) 40632,50342 40595,50379 40595,50524 40637,50566 H1_K.46@40637,50599 ; v1(43062,43476) 43216,43476 43252.47,43512.47 43398.53,43512.47 43440,43471 H1_F.46@43473,43471 ; v1(43062,49381) 43216,49381 43252.47,49417.47 43398.53,49417.47 43440,49376 H1_G.46@43473,49376
  other v1: 40628,45100
GND_6: H1_D.48 H1_E.48 H1_F.48 H1_G.48 H1_K.48 J48_A.1 J48_D.1 J48_F.1 J48_G.1 | length 19118.8
  Top Layer w8: J48_D.1@39362.48,45095.52 v1@39420,45038 ; v1(40009,45007) 40146,45007 40163,44990 40193,44990 v1(40198,44995) ; v1(40532,40222) 40532,40359 40515,40376 40515,40406 v1(40520,40411) 40529,40420 40529,40465.41 40536,40472.41 40536,49937.59 40529,49944.59 40529,49990 v1(40520,49999) 40515,50004 40515,50034 40532,50051 v1(40532,50188) ; v1(40562,50773) J48_A.1@40619.52,50830.52 ; v1(42873,43588) 42878,43593 42908,43593 42925,43576 v1(43062,43576) ; v1(42873,49493) 42878,49498 42908,49498 42925,49481 v1(43062,49481) ; v1(43651,43545) J48_F.1@43708.52,43487.48 ; v1(43651,49450) J48_G.1@43708.52,49392.48
  Bottom Layer w8: v1@39420,45038 39420,45033.27 39481.8,44971.47 39516.2,44971.47 39557.73,45013 H1_D.48@39599,45013 ; H1_D.48@39598,45012 39631,45012 39672.47,44970.53 39818.53,44970.53 39855,45007 v1(40009,45007) ; v1(40198,44995) 40218,45015 40276.55,45015 40292.55,45031 40521,45031 v1@40529,45023 ; v1(40528,43431.25) 40528,43442 40559.5,43473.5 40569.03,43473.5 40667.53,43572 42811.59,43572 42818.59,43579 42864,43579 v1(42873,43588) ; v1(40528,49336.25) 40528,49347 40559.5,49378.5 40569.03,49378.5 40667.53,49477 42811.59,49477 42818.59,49484 42864,49484 v1(42873,49493) ; v1(40532,40222) 40532,40089 40495.47,40052.47 40495.47,39972.53 40537,39931 H1_E.48@40537,39912 ; v1(40532,50188) 40532,50342 40495,50379 40495,50524 40537,50566 H1_K.48@40537,50599 40537,50635.27 40495.47,50676.8 40495.47,50716.2 40519.8,50740.53 40529.53,50740.53 v1(40562,50773) ; v1(43062,43576) 43216,43576 43252.47,43612.47 43398.53,43612.47 43440,43571 H1_F.48@43473,43571 ; v1(43062,49481) 43216,49481 43252.47,49517.47 43398.53,49517.47 43440,49476 H1_G.48@43473,49476 ; H1_F.48@43472,43570 43513.27,43570 43554.8,43611.53 43589.2,43611.53 43651,43549.73 v1(43651,43545) ; H1_G.48@43472,49475 43513.27,49475 43554.8,49516.53 43589.2,49516.53 43651,49454.73 v1(43651,49450)
  other v1: 40528,45023 39419,45038
GND_7: H1_D.50 H1_E.50 H1_F.50 H1_G.50 H1_K.50 J50_A.1 J50_D.1 J50_F.1 J50_G.1 | length 19183.3
  Top Layer w8: J50_D.1@39363.48,44907.66 39445.62,44907.66 39481.8,44871.47 39516.2,44871.47 39557.73,44913 H1_D.50@39599,44913 ; v1(40420,40411) 40429,40420 40429,40465.41 40440,40476.41 40440,43431 v1(40432,43431) ; v1(40420,49999) 40424,49995 40424,49949.59 40440,49933.59 40440,49397 40424,49381 40424,49342 v1@40430,49336 ; v1@40424,44929 40424,44968.94 40440,44984.94 ; v1@40430,43431 40424,43437 40424,43476 40440,43492 40440,44929 v1(40432,44929) ; J50_A.1@40431.66,50829.52 40431.66,50753.66 40395.47,50717.47 40395.47,50676.8 40437,50635.27 H1_K.50@40437,50599 H1_K.50@40437,50594 ; v1(40432,49336) 40440,49336 40440,44985 ; H1_F.50@43472,43670 43513.27,43670 43554.8,43711.53 43589.2,43711.53 43625.38,43675.34 J50_F.1@43707.52,43675.34 ; H1_G.50@43472,49575 43513.27,49575 43554.8,49616.53 43589.2,49616.53 43625.38,49580.34 J50_G.1@43707.52,49580.34
  Bottom Layer w8: H1_D.50@39600.48,44912 39638,44912 39679.47,44870.53 40173.53,44870.53 ; 40172.53,44869.53 40173.53,44870.53 ; v1(40420,40411) 40394.53,40385.53 40394.53,40104.94 40395.47,40104 40395.47,39972.53 40437,39931 H1_E.50@40437,39912 ; v1(40420,49999) 40394.53,50024.47 40394.53,50422.83 40394.47,50422.88 40394.47,50516.47 40437,50559 H1_K.50@40437,50596.52 ; v1@40429,43431 40424,43436 40424,43475.24 40438.76,43490 40449.76,43490 40631.76,43672 42811.59,43672 42818.59,43679 42864,43679 v1(42873,43688) 42897.47,43712.47 43391.53,43712.47 43433,43671 H1_F.50@43470.52,43671 ; v1@40429,49336 40424,49341 40424,49380.24 40438.76,49395 40449.76,49395 40631.76,49577 42811.59,49577 42818.59,49584 42864,49584 v1(42873,49593) 42897.47,49617.47 43391.53,49617.47 43433,49576 H1_G.50@43470.52,49576 ; v1@40432,44932 40415,44949 40344.8,44949 40330.8,44935 40284.57,44935 40262.57,44913 40216,44913 v1(40198,44895) 40173.53,44870.53
GND_8: H1_D.52 H1_E.52 H1_F.52 H1_G.52 H1_K.52 J52_A.1 J52_D.1 J52_F.1 J52_G.1 pad.11 | length 19891.5
  Top Layer w8: v1(40320,40411) 40329,40420 40329,40466.63 40376,40513.63 40376,43311 v1(40368,43311) ; v1(40320,49999) 40329,49990 40329,49943.37 40376,49896.37 40376,49423.51 40360,49407.51 v1@40360,49215 ; v1@40344,44863 40344,44902.94 40360,44918.94 40360,44998 40376,45014 40376,49216 v1(40368,49216) ; v1(40352,44863) 40352,44857.37 40376,44833.37 40376,43518.51 40360,43502.51 v1@40360,43310
  Top Layer w10: J52_D.1@39363.48,44813 39438.86,44813 39481.38,44770.47 39516.62,44770.47 39559.14,44813 H1_D.52@39599,44813 ; H1_K.52@40337,50594 H1_K.52@40337,50599 40337,50633.86 40294.47,50676.38 40294.47,50716.62 40337,50759.14 J52_A.1@40337,50829.52 ; H1_F.52@43472,43770 43511.86,43770 43554.38,43812.53 43589.62,43812.53 43632.14,43770 J52_F.1@43707.52,43770 ; H1_G.52@43472,49675 43511.86,49675 43554.38,49717.53 43589.62,49717.53 43632.14,49675 J52_G.1@43707.52,49675
  Bottom Layer w8: H1_D.52@39600.48,44812 39638,44812 39692,44758 40161,44758 v1(40198,44795) 40207,44804 40253.57,44804 40312.57,44863 v1(40352,44863) ; v1(40320,40411) 40283,40374 40283,39954 40325,39912 H1_E.52@40337,39912 ; v1(40320,49999) 40283,50036 40283,50505 40337,50559 H1_K.52@40337,50596.52 ; v1@40365,43310 40367.63,43312.63 40367.63,43321.43 40360,43329.06 40360,43501.75 40412.25,43554 40423.25,43554 40624.25,43755 40635.2,43755 40652.2,43772 42811.59,43772 42818.59,43779 42864,43779 v1(42873,43788) 42910,43825 43379,43825 43433,43771 H1_F.52@43470.52,43771 ; v1@40365,49215 40367.63,49217.63 40367.63,49226.43 40360,49234.06 40360,49406.75 40412.25,49459 40423.25,49459 40624.25,49660 40635.2,49660 40652.2,49677 42811.59,49677 42818.59,49684 42864,49684 v1(42873,49693) 42910,49730 43379,49730 43433,49676 H1_G.52@43470.52,49676
  Bottom Layer w10: pad.11@40150,50573 40200,50573 40226,50599 H1_K.52@40337,50599
GND_9: H1_D.61 H1_E.61 H1_F.61 H1_G.61 H1_K.61 J61_A.2 J61_D.2 J61_F.2 J61_G.2 | length 17208.7
  Top Layer w8: 42412,41628 42404,41636 42404,41680 v1(42412,41688) ; v1(42412,46815) 42404,46823 42404,46867 42412,46875 ; 42412,47533 42404,47541 42404,47585 v1(42412,47593)
  Top Layer w16: v1(42400,40436) 42409,40445 42409,40475 42412,40478 42412,40483 ; v1(42400,49974) 42409,49965 42409,49935 42412,49932 42412,49927
  Top Layer w24: J61_D.2@39363.48,46913 39413.01,46962.53 v1(39515,46962.53) ; 42412,40483 42412,41628 ; v1(42412,41688) v1(42412,46815) ; 42412,46875 42412,47533 ; v1(42412,47593) 42412,49922 ; J61_A.2@42437,50834.52 42486.53,50784.99 v1(42486.53,50683) ; v1(43556,41620.47) 43657.99,41620.47 J61_F.2@43707.52,41670 ; v1(43556,47525.47) 43657.99,47525.47 J61_G.2@43707.52,47575
  Bottom Layer w8: H1_D.61@39698,46912 39735,46912 39777.53,46954.53 39823.47,46954.53 39833,46945 39848,46945 ; H1_E.61@42437,39812 42478.53,39853.53 42478.53,40052.47 42470,40061 ; H1_K.61@42437,50499 42437,50462 42478.53,50420.47 42478.53,50372.53 42470,50364 42470,50349 ; 43223,41638 43238,41638 43247.53,41628.47 43293.47,41628.47 43336,41671 H1_F.61@43373,41671 ; 43223,47543 43238,47543 43247.53,47533.47 43293.47,47533.47 43336,47576 H1_G.61@43373,47576
  Bottom Layer w16: v1(40223,46875) 40232,46884 40262,46884 ; 42386.63,46853.63 42386.63,46847.97 42408,46826.6 42408,46819 v1(42412,46815) ; 42801,41696 42806,41696 ; 42801,47601 42806,47601 ; 42809,41699 42839,41699 v1(42848,41708) ; 42809,47604 42839,47604 v1(42848,47613)
  Bottom Layer w22: 40208,46860 v1(40223,46875) ; 42385,40421 v1(42400,40436) ; 42385,49989 v1(42400,49974) ; v1(42848,41708) 42863,41723 ; v1(42848,47613) 42863,47628
  Bottom Layer w24: v1(39515,46962.53) 39631.47,46962.53 39681,46913 H1_D.61@39699,46913 ; 39848,46945 40068,46945 40153,46860 40208,46860 ; 40270,46887 42353.25,46887 42386.63,46853.63 ; 42385,40421 42385,40366 42470,40281 42470,40061 ; 42385,49989 42385,50044 42470,50129 42470,50349 ; v1(42412,41688) 42420,41696 42801,41696 ; v1(42412,47593) 42420,47601 42801,47601 ; H1_K.61@42437,50499 42437,50517 42486.53,50566.53 v1(42486.53,50683) ; 42863,41723 42918,41723 43003,41638 43223,41638 ; 42863,47628 42918,47628 43003,47543 43223,47543 ; H1_F.61@43372,41670 43390,41670 43439.53,41620.47 v1(43556,41620.47) ; H1_G.61@43372,47575 43390,47575 43439.53,47525.47 v1(43556,47525.47)
GND_10: H1_D.69 H1_E.69 H1_F.69 H1_G.69 H1_K.69 J69_A.2 J69_D.2 J69_F.2 J69_G.2 | length 17588.9
  Top Layer w8: 42012,42028 42004,42036 42004,42080 v1(42012,42088) ; v1(42012,46455) 42004,46463 42004,46507 42012,46515 ; 42012,47933 42004,47941 42004,47985 v1(42012,47993)
  Top Layer w16: v1(42000,40436) 42009,40445 42009,40475 42012,40478 42012,40483 ; v1(42000,49974) 42009,49965 42009,49935 42012,49932 42012,49927
  Top Layer w24: J69_D.2@39363.48,46513 39413.48,46563 v1(39517,46563) ; 42012,40485 42012,42028 ; v1(42012,42088) v1(42012,46455) ; 42012,46515 42012,47933 ; v1(42012,47993) 42012,49922 ; J69_A.2@42037,50834.52 42087,50784.52 v1(42087,50681) ; v1(43554,42020) 43657.52,42020 J69_F.2@43707.52,42070 ; v1(43554,47925) 43657.52,47925 J69_G.2@43707.52,47975
  Bottom Layer w8: H1_D.69@39698,46512 39735,46512 39777.53,46554.53 39823.47,46554.53 39833,46545 39848,46545 ; H1_E.69@42037,39812 42078.53,39853.53 42078.53,40052.47 42070,40061 ; H1_K.69@42037,50499 42037,50462 42078.53,50420.47 42078.53,50372.53 42070,50364 42070,50349 ; 43223,42038 43238,42038 43247.53,42028.47 43293.47,42028.47 43336,42071 H1_F.69@43373,42071 ; 43223,47943 43238,47943 43247.53,47933.47 43293.47,47933.47 43336,47976 H1_G.69@43373,47976
  Bottom Layer w16: v1(40223,46475) 40232,46484 40262,46484 ; 40265,46487 40270,46487 ; 42801,42096 42806,42096 ; 42801,48001 42806,48001 ; 42809,42099 42839,42099 v1(42848,42108) ; 42809,48004 42839,48004 v1(42848,48013)
  Bottom Layer w22: 40208,46460 v1(40223,46475) ; 41985,40421 v1(42000,40436) ; 41985,49989 v1(42000,49974) ; v1(42848,42108) 42863,42123 ; v1(42848,48013) 42863,48028
  Bottom Layer w24: v1(39517,46563) 39632,46563 39682,46513 H1_D.69@39699,46513 ; 39848,46545 40068,46545 40153,46460 40208,46460 ; 40270,46487 41980,46487 v1(42012,46455) ; 41985,40421 41985,40366 42070,40281 42070,40061 ; 41985,49989 41985,50044 42070,50129 42070,50349 ; v1(42012,42088) 42020,42096 42801,42096 ; v1(42012,47993) 42020,48001 42801,48001 ; H1_K.69@42037,50499 42037,50516 42087,50566 v1(42087,50681) ; 42863,42123 42918,42123 43003,42038 43223,42038 ; 42863,48028 42918,48028 43003,47943 43223,47943 ; H1_F.69@43372,42070 43389,42070 43439,42020 v1(43554,42020) ; H1_G.69@43372,47975 43389,47975 43439,47925 v1(43554,47925)